# Altium PCB POETIC_Processor_V2.PcbDoc (part 1 of 4) (continued)
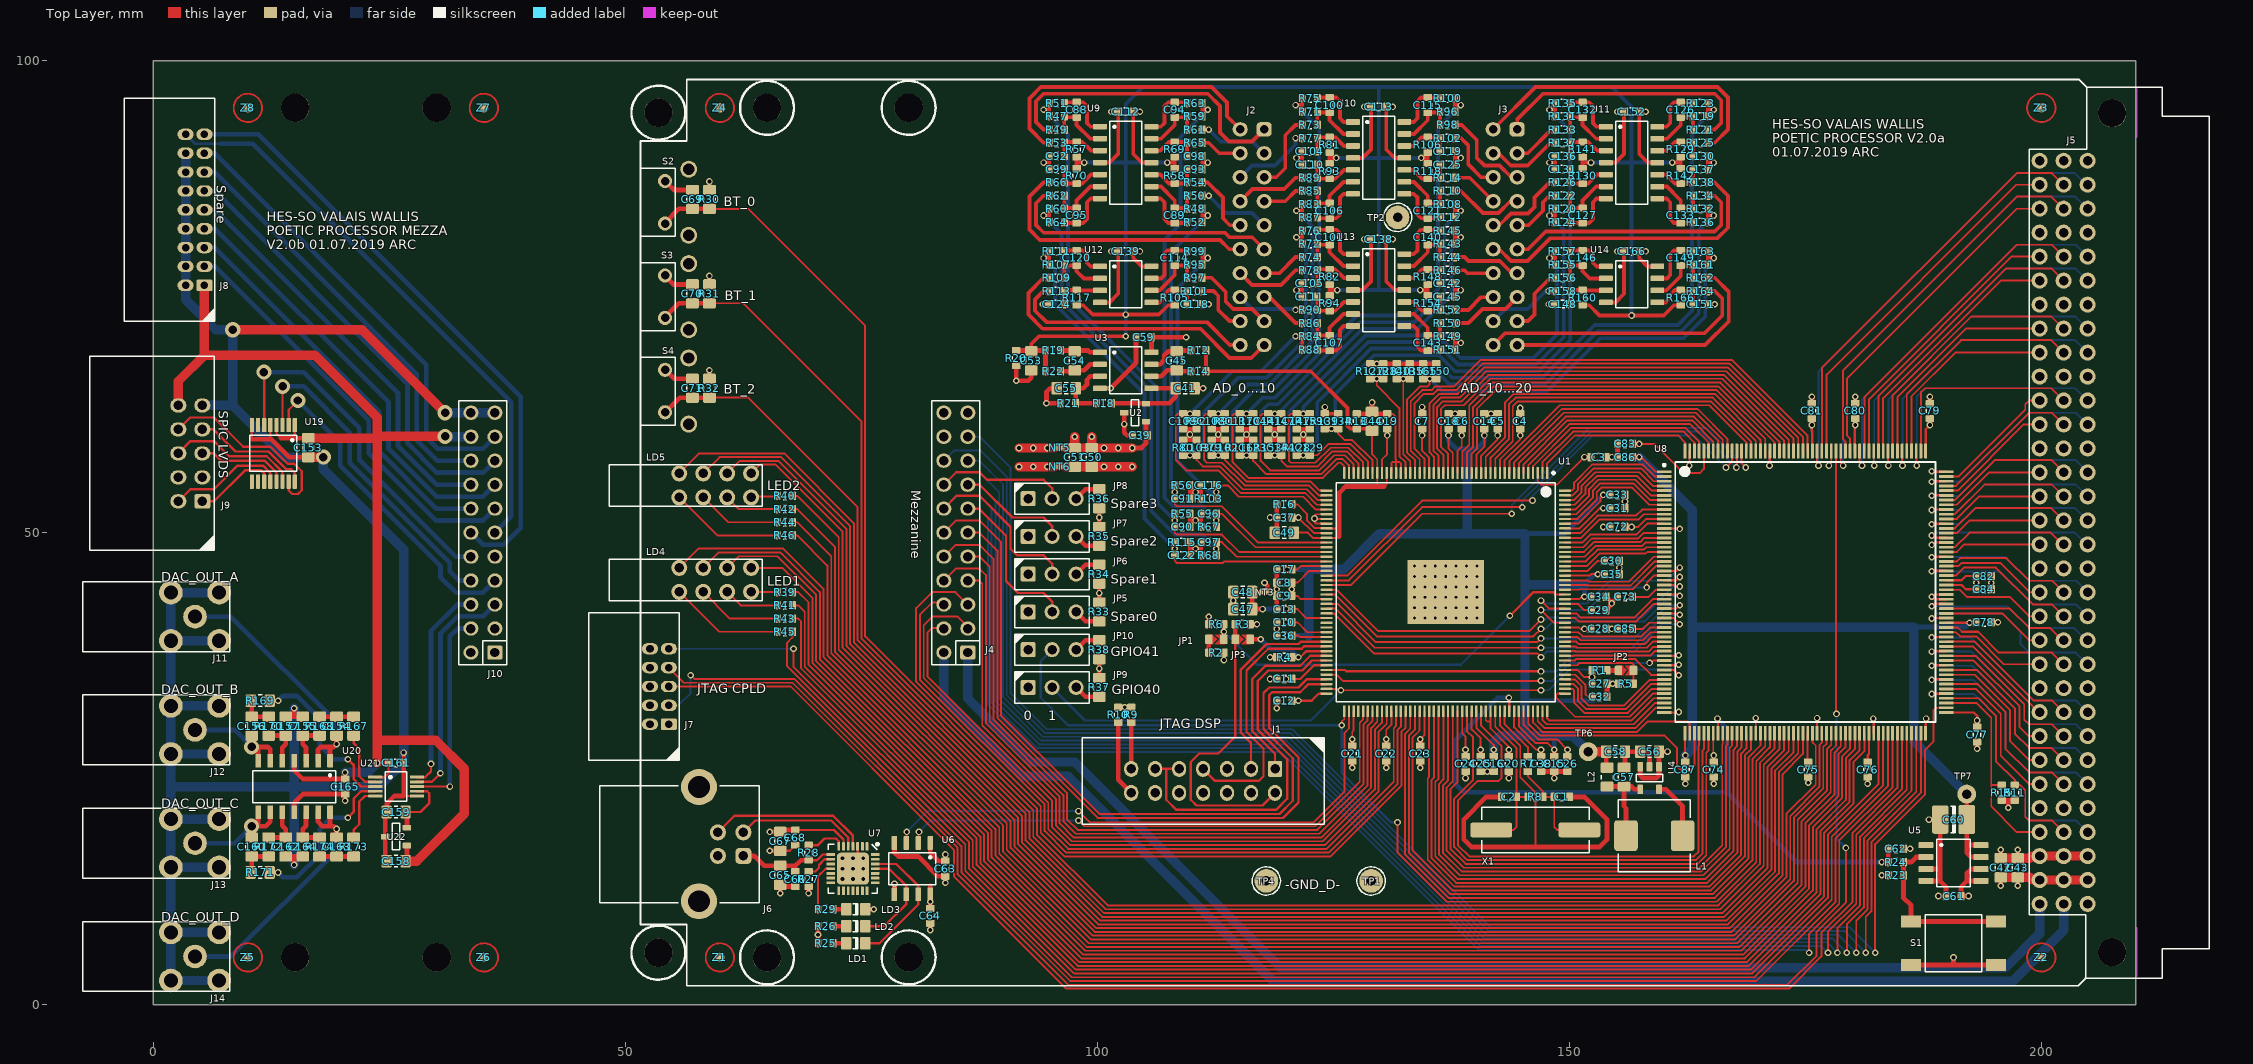
[diagram p0: Top Layer view]
## Components (designator, comment, footprint, x,y, rotation, side; value= is the part's Value field where it differs from the comment) (continued)
C158 "100n" "CAPACITOR 2012 REFLOW" 25.7,15.2 r0 top
C159 "1u" "CAPACITOR 2012 REFLOW" 25.7,20.4 r0 top
C160 "100p" "CAPACITOR 2012 REFLOW" 10.4,16.7 r90 top
C161 "100n" "CAPACITOR 1608 REFLOW" 25.7,25.6 r180 top
C162 "150p" "CAPACITOR 2012 REFLOW" 14,16.7 r90 top
C163 "100p" "CAPACITOR 2012 REFLOW" 19.4,16.7 r90 top
C164 "150p" "CAPACITOR 2012 REFLOW" 15.8,16.7 r90 top
C165 "100n" "CAPACITOR 1608 REFLOW" 20.299,23.1 r90 top
C166 "100n" "CAPACITOR 1608 REFLOW" 156.6,79.8 r0 top
J1 "61201421621" "FlatCable2x7 2.54MM Straight TH" 111.2,23.7 r180 top
J2 "61202021621" "FlatCable2x10 2.54MM Straight TH" 116.4,81.3 r270 bottom
J3 "61202021621" "FlatCable2x10 2.54MM Straight TH" 143.2,81.3 r270 bottom
J4 "*" "PinHeader2x11 P2.54 A" 85,50 r90 top
J5 "09031966921" "DIN41612 MALE 3X32 ABC R90" 217.6,50 r270 top
J6 "UE27-BC54-130" "USB-B TH AMPHENOL UE27-BC54-130" 47.5,17 r270 top
J7 "98464-G61-10ULF" "FlatCable2x5 2MM Right Angle TH FCI 98614-G61-10ULF" 53.6,33.7 r270 top
J8 "98464-G61-18ULF" "FlatCable2x9 2MM Right Angle TH FCI 98614-G61-18ULF" 4.4,84.2 r270 top
J9 "61201021721" "FlatCable2x5 2.54MM RIGHT ANGLE TH" 3.9,58.4 r270 top
J10 "*" "PinHeader2x11 P2.54 A" 34.9,50 r90 top
J11 "CONSMA002-G" "SMA TH Right Angle Linx CONSMA002" 4.4,41.1 r0 top
J12 "CONSMA002-G" "SMA TH Right Angle Linx CONSMA002" 4.4,29.1 r0 top
J13 "CONSMA002-G" "SMA TH Right Angle Linx CONSMA002" 4.4,17.1 r0 top
J14 "CONSMA002-G" "SMA TH Right Angle Linx CONSMA002" 4.4,5.1 r0 top
JP1 "Tied" "JUMPER2 SMD 1608" 112.6,38.7 r0 top net-tie
JP2 "Tied" "JUMPER2 SMD 1608" 156,35.4 r0 top net-tie
JP3 "Tied" "JUMPER2 SMD 1608" 115.4,38.7 r0 top net-tie
JP5 "{Value}" "JUMPER3 TH" 95.2,41.6 r0 top
JP6 "{Value}" "JUMPER3 TH" 95.2,45.6 r0 top
JP7 "{Value}" "JUMPER3 TH" 95.2,49.6 r0 top
JP8 "{Value}" "JUMPER3 TH" 95.2,53.6 r0 top
JP9 "{Value}" "JUMPER3 TH" 95.2,33.6 r0 top
JP10 "{Value}" "JUMPER3 TH" 95.2,37.6 r0 top
L1 "DR73-2R2-R" DR73 159,17.9 r180 top
L2 "MH2029-221Y" "INDUCTOR 2012 REFLOW" 154,24.1 r90 top
LD1 "Green" "LED 2012 REFLOW" 74.4,6.5 r180 top
LD2 "Green" "LED 2012 REFLOW" 74.4,8.3 r180 top
LD3 "Green" "LED 2012 REFLOW" 74.4,10.1 r180 top
LD4 "568-0721-111F" "LED Dialight 568-0721-111" 55.7,45 r0 top
LD5 "568-0721-111F" "LED Dialight 568-0721-111" 55.7,55 r0 top
NT3 "Net Tie" "NET TIE 1005" 117.7,43.7 r180 top net-tie
NT5 "Net Tie" "NET TIE 1005" 96,58.97 r0 top net-tie
NT6 "Net Tie" "NET TIE 1005" 96,56.97 r0 top net-tie
R1 "820R" "RESISTOR 1608 REFLOW" 153.2,35.4 r180 top
R2 "820R" "RESISTOR 1608 REFLOW" 112.6,37.3 r0 top
R3 "10k" "RESISTOR 1608 REFLOW" 115.4,40.3 r180 top
R4 "nm" "RESISTOR 1608 REFLOW" 119.8,36.8 r0 top
R5 "nm" "RESISTOR 1608 REFLOW" 156,34 r0 top
R6 "2k2" "RESISTOR 1608 REFLOW" 112.6,40.3 r0 top
R7 "100R" "RESISTOR 1608 REFLOW" 145.6,25.5 r90 top
R8 "1Meg" "RESISTOR 1608 REFLOW" 146.4,22 r0 top
R9 "10k" "RESISTOR 1608 REFLOW" 103.6,30.7 r90 top
R10 "10k" "RESISTOR 1608 REFLOW" 102.2,30.7 r90 top
R11 "4k7" "RESISTOR 1608 REFLOW" 197.2,22.45 r270 top
R12 "56R" "RESISTOR 1608 REFLOW" 110.7,69.3 r180 top
R13 "10k" "RESISTOR 1608 REFLOW" 127.5,61.8 r90 top
R14 "560R" "RESISTOR 1608 REFLOW" 110.7,67.1 r180 top
R15 "4k7" "RESISTOR 1608 REFLOW" 195.8,22.45 r270 top
R16 "10k" "RESISTOR 1608 REFLOW" 119.8,53 r180 top
R18 "10k / 0.1%" "RESISTOR 1608 REFLOW" 100.7,63.7 r0 top
R19 "56R" "RESISTOR 1608 REFLOW" 95.3,69.3 r0 top
R20 "10k" "RESISTOR 1608 REFLOW" 91.4,68.5 r270 top
R21 "10k / 0.1%" "RESISTOR 1608 REFLOW" 96.9,63.7 r180 top
R22 "560R" "RESISTOR 1608 REFLOW" 95.3,67.1 r0 top
R23 "1k5" "RESISTOR 1608 REFLOW" 184.6,13.7 r180 top
R24 "220R" "RESISTOR 1608 REFLOW" 184.6,15.1 r0 top
R25 "1k" "RESISTOR 1608 REFLOW" 71.2,6.5 r180 top
R26 "1k" "RESISTOR 1608 REFLOW" 71.2,8.3 r180 top
R27 "1k" "RESISTOR 1608 REFLOW" 69.4,13.3 r270 top
R28 "0" "RESISTOR 1608 REFLOW" 69.4,16.1 r90 top
R29 "1k" "RESISTOR 1608 REFLOW" 71.2,10.1 r180 top
R30 "470R" "RESISTOR 2012 REFLOW" 58.9,85.3 r90 top
R31 "470R" "RESISTOR 2012 REFLOW" 58.9,75.3 r90 top
R32 "470R" "RESISTOR 2012 REFLOW" 58.9,65.3 r90 top
R33 "10k" "RESISTOR 2012 REFLOW" 100.2,41.6 r90 top
R34 "10k" "RESISTOR 2012 REFLOW" 100.2,45.6 r270 top
R35 "10k" "RESISTOR 2012 REFLOW" 100.2,49.6 r90 top
R36 "10k" "RESISTOR 2012 REFLOW" 100.199,53.6 r270 top
R37 "10k" "RESISTOR 2012 REFLOW" 100.2,33.6 r270 top
R38 "10k" "RESISTOR 2012 REFLOW" 100.2,37.6 r90 top
R39 "120R" "RESISTOR 1608 REFLOW" 66.9,43.7 r180 top
R40 "120R" "RESISTOR 1608 REFLOW" 66.9,53.9 r180 top
R41 "120R" "RESISTOR 1608 REFLOW" 66.9,42.3 r180 top
R42 "120R" "RESISTOR 1608 REFLOW" 66.9,52.5 r180 top
R43 "120R" "RESISTOR 1608 REFLOW" 66.9,40.9 r180 top
R44 "120R" "RESISTOR 1608 REFLOW" 66.9,51.1 r180 top
R45 "120R" "RESISTOR 1608 REFLOW" 66.9,39.5 r180 top
R46 "120R" "RESISTOR 1608 REFLOW" 66.9,49.7 r180 top
R47 "18k" "RESISTOR 1608 REFLOW" 95.7,94.1 r180 top
R48 "18k" "RESISTOR 1608 REFLOW" 110.3,84.3 r0 top
R49 "8k2" "RESISTOR 1608 REFLOW" 95.7,92.7 r0 top
R50 "8k2" "RESISTOR 1608 REFLOW" 110.3,85.7 r180 top
R51 "82R" "RESISTOR 1608 REFLOW" 95.7,95.5 r180 top
R52 "82R" "RESISTOR 1608 REFLOW" 110.3,82.9 r0 top
R53 "8k2" "RESISTOR 1608 REFLOW" 95.7,91.3 r0 top
R54 "8k2" "RESISTOR 1608 REFLOW" 110.3,87.1 r180 top
R55 "10k" "RESISTOR 1608 REFLOW" 109,52 r0 top
R56 "10k" "RESISTOR 1608 REFLOW" 109,55 r0 top
R57 "18k" "RESISTOR 1608 REFLOW" 97.8,90.6 r270 top
R58 "18k" "RESISTOR 1608 REFLOW" 108.2,87.8 r90 top
R59 "18k" "RESISTOR 1608 REFLOW" 110.3,94.1 r0 top
R60 "18k" "RESISTOR 1608 REFLOW" 95.7,84.3 r180 top
R61 "8k2" "RESISTOR 1608 REFLOW" 110.3,92.7 r180 top
R62 "8k2" "RESISTOR 1608 REFLOW" 95.7,85.7 r0 top
R63 "82R" "RESISTOR 1608 REFLOW" 110.3,95.5 r0 top
R64 "82R" "RESISTOR 1608 REFLOW" 95.7,82.9 r180 top
R65 "8k2" "RESISTOR 1608 REFLOW" 110.3,91.3 r180 top
R66 "8k2" "RESISTOR 1608 REFLOW" 95.7,87.1 r0 top
R67 "10k" "RESISTOR 1608 REFLOW" 111.8,50.6 r180 top
R68 "10k" "RESISTOR 1608 REFLOW" 111.8,47.6 r180 top
R69 "18k" "RESISTOR 1608 REFLOW" 108.2,90.6 r270 top
R70 "18k" "RESISTOR 1608 REFLOW" 97.8,87.8 r90 top
R71 "18k" "RESISTOR 1608 REFLOW" 122.5,94.6 r180 top
R72 "18k" "RESISTOR 1608 REFLOW" 122.5,80.6 r180 top
R73 "8k2" "RESISTOR 1608 REFLOW" 122.5,93.2 r0 top
R74 "8k2" "RESISTOR 1608 REFLOW" 122.5,79.2 r0 top
R75 "82R" "RESISTOR 1608 REFLOW" 122.5,96 r180 top
R76 "82R" "RESISTOR 1608 REFLOW" 122.5,82 r180 top
R77 "8k2" "RESISTOR 1608 REFLOW" 122.5,91.8 r0 top
R78 "8k2" "RESISTOR 1608 REFLOW" 122.5,77.8 r0 top
R79 "10k" "RESISTOR 1608 REFLOW" 112.1,59 r90 top
R80 "10k" "RESISTOR 1608 REFLOW" 109.1,59 r90 top
R81 "18k" "RESISTOR 1608 REFLOW" 124.6,91.1 r270 top
R82 "18k" "RESISTOR 1608 REFLOW" 124.6,77.1 r270 top
R83 "18k" "RESISTOR 1608 REFLOW" 122.5,84.8 r180 top
R84 "18k" "RESISTOR 1608 REFLOW" 122.5,70.8 r180 top
R85 "8k2" "RESISTOR 1608 REFLOW" 122.5,86.2 r0 top
R86 "8k2" "RESISTOR 1608 REFLOW" 122.5,72.2 r0 top
R87 "82R" "RESISTOR 1608 REFLOW" 122.5,83.4 r180 top
R88 "82R" "RESISTOR 1608 REFLOW" 122.5,69.4 r180 top
R89 "8k2" "RESISTOR 1608 REFLOW" 122.5,87.6 r0 top
R90 "8k2" "RESISTOR 1608 REFLOW" 122.5,73.6 r0 top
R91 "10k" "RESISTOR 1608 REFLOW" 113.5,61.8 r270 top
R92 "10k" "RESISTOR 1608 REFLOW" 110.5,61.8 r270 top
R93 "18k" "RESISTOR 1608 REFLOW" 124.6,88.3 r90 top
R94 "18k" "RESISTOR 1608 REFLOW" 124.6,74.3 r90 top
R95 "18k" "RESISTOR 1608 REFLOW" 110.3,78.4 r0 top
R96 "18k" "RESISTOR 1608 REFLOW" 137.1,94.6 r0 top
R97 "8k2" "RESISTOR 1608 REFLOW" 110.3,77 r180 top
R98 "8k2" "RESISTOR 1608 REFLOW" 137.1,93.2 r180 top
R99 "82R" "RESISTOR 1608 REFLOW" 110.3,79.8 r0 top
R100 "82R" "RESISTOR 1608 REFLOW" 137.1,96 r0 top
R101 "8k2" "RESISTOR 1608 REFLOW" 110.3,75.6 r180 top
R102 "8k2" "RESISTOR 1608 REFLOW" 137.1,91.8 r180 top
R103 "10k" "RESISTOR 1608 REFLOW" 111.8,53.6 r180 top
R104 "10k" "RESISTOR 1608 REFLOW" 116.5,61.8 r270 top
R105 "18k" "RESISTOR 1608 REFLOW" 108.2,74.9 r270 top
R106 "18k" "RESISTOR 1608 REFLOW" 135,91.1 r270 top
R107 "18k" "RESISTOR 1608 REFLOW" 95.7,78.4 r180 top
R108 "18k" "RESISTOR 1608 REFLOW" 137.1,84.8 r0 top
R109 "8k2" "RESISTOR 1608 REFLOW" 95.7,77 r0 top
R110 "8k2" "RESISTOR 1608 REFLOW" 137.1,86.2 r180 top
R111 "82R" "RESISTOR 1608 REFLOW" 95.7,79.8 r180 top
R112 "82R" "RESISTOR 1608 REFLOW" 137.1,83.4 r0 top
R113 "8k2" "RESISTOR 1608 REFLOW" 95.7,75.6 r0 top
R114 "8k2" "RESISTOR 1608 REFLOW" 137.1,87.6 r180 top
R115 "10k" "RESISTOR 1608 REFLOW" 109,49 r0 top
R116 "10k" "RESISTOR 1608 REFLOW" 115.1,59 r90 top
R117 "18k" "RESISTOR 1608 REFLOW" 97.8,74.9 r270 top
R118 "18k" "RESISTOR 1608 REFLOW" 135,88.3 r90 top
R119 "18k" "RESISTOR 1608 REFLOW" 163.9,94.1 r0 top
R120 "18k" "RESISTOR 1608 REFLOW" 149.3,84.3 r180 top
R121 "8k2" "RESISTOR 1608 REFLOW" 163.9,92.7 r180 top
R122 "8k2" "RESISTOR 1608 REFLOW" 149.3,85.7 r0 top
R123 "82R" "RESISTOR 1608 REFLOW" 163.9,95.5 r0 top
R124 "82R" "RESISTOR 1608 REFLOW" 149.3,82.9 r180 top
R125 "8k2" "RESISTOR 1608 REFLOW" 163.9,91.3 r180 top
R126 "8k2" "RESISTOR 1608 REFLOW" 149.3,87.1 r0 top
R127 "10k" "RESISTOR 1608 REFLOW" 128.9,67.1 r90 top
R128 "10k" "RESISTOR 1608 REFLOW" 121.1,59 r90 top
R129 "18k" "RESISTOR 1608 REFLOW" 161.8,90.6 r270 top
R130 "18k" "RESISTOR 1608 REFLOW" 151.4,87.8 r90 top
R131 "18k" "RESISTOR 1608 REFLOW" 149.3,94.1 r180 top
R132 "18k" "RESISTOR 1608 REFLOW" 163.9,84.3 r0 top
R133 "8k2" "RESISTOR 1608 REFLOW" 149.3,92.7 r0 top
R134 "8k2" "RESISTOR 1608 REFLOW" 163.9,85.7 r180 top
R135 "82R" "RESISTOR 1608 REFLOW" 149.3,95.5 r180 top
R136 "82R" "RESISTOR 1608 REFLOW" 163.9,82.9 r0 top
R137 "8k2" "RESISTOR 1608 REFLOW" 149.3,91.3 r0 top
R138 "8k2" "RESISTOR 1608 REFLOW" 163.9,87.1 r180 top
R139 "10k" "RESISTOR 1608 REFLOW" 124.1,61.8 r90 top
R140 "10k" "RESISTOR 1608 REFLOW" 131.7,67.1 r90 top
R141 "18k" "RESISTOR 1608 REFLOW" 151.4,90.6 r270 top
R142 "18k" "RESISTOR 1608 REFLOW" 161.8,87.8 r90 top
R143 "18k" "RESISTOR 1608 REFLOW" 137.1,80.6 r0 top
R144 "8k2" "RESISTOR 1608 REFLOW" 137.1,79.2 r180 top
R145 "82R" "RESISTOR 1608 REFLOW" 137.1,82 r0 top
R146 "8k2" "RESISTOR 1608 REFLOW" 137.1,77.8 r180 top
R147 "10k" "RESISTOR 1608 REFLOW" 119.5,61.8 r270 top
R148 "18k" "RESISTOR 1608 REFLOW" 135,77.1 r270 top
R149 "18k" "RESISTOR 1608 REFLOW" 137.1,70.8 r0 top
R150 "8k2" "RESISTOR 1608 REFLOW" 137.1,72.2 r180 top
R151 "82R" "RESISTOR 1608 REFLOW" 137.1,69.4 r0 top
R152 "8k2" "RESISTOR 1608 REFLOW" 137.1,73.6 r180 top
R153 "10k" "RESISTOR 1608 REFLOW" 118.1,59 r90 top
R154 "18k" "RESISTOR 1608 REFLOW" 135,74.3 r90 top
R155 "18k" "RESISTOR 1608 REFLOW" 149.3,78.4 r180 top
R156 "8k2" "RESISTOR 1608 REFLOW" 149.3,77 r0 top
R157 "82R" "RESISTOR 1608 REFLOW" 149.3,79.8 r180 top
R158 "8k2" "RESISTOR 1608 REFLOW" 149.3,75.6 r0 top
R159 "10k" "RESISTOR 1608 REFLOW" 122.5,61.8 r270 top
R160 "18k" "RESISTOR 1608 REFLOW" 151.4,74.9 r270 top
R161 "18k" "RESISTOR 1608 REFLOW" 163.9,78.4 r0 top
R162 "8k2" "RESISTOR 1608 REFLOW" 163.9,77 r180 top
R163 "82R" "RESISTOR 1608 REFLOW" 163.9,79.8 r0 top
R164 "8k2" "RESISTOR 1608 REFLOW" 163.9,75.6 r180 top
R165 "10k" "RESISTOR 1608 REFLOW" 134.5,67.1 r90 top
R166 "18k" "RESISTOR 1608 REFLOW" 161.8,74.9 r270 top
R167 "3k3" "RESISTOR 2012 REFLOW" 21.2,29.5 r90 top
R168 "3k6" "RESISTOR 2012 REFLOW" 17.6,29.5 r270 top
R169 "3k3" "RESISTOR 2012 REFLOW" 11.3,32.2 r180 top
R170 "3k6" "RESISTOR 2012 REFLOW" 12.2,29.5 r270 top
R171 "3k3" "RESISTOR 2012 REFLOW" 11.3,14 r180 top
R172 "3k6" "RESISTOR 2012 REFLOW" 12.2,16.7 r90 top
R173 "3k3" "RESISTOR 2012 REFLOW" 21.2,16.7 r270 top
R174 "3k6" "RESISTOR 2012 REFLOW" 17.6,16.7 r90 top
S1 "FSM2JSMA" "Push Button C6.0x6.0 TE FSM-2J-SMA" 190.7,6.5 r180 top
S2 "FSMRA4JH04" "Push Button C7.1x3.7 TE FSMRA4JH" 51.6,85 r270 top
S3 "FSMRA4JH04" "Push Button C7.1x3.7 TE FSMRA4JH" 51.6,75 r270 top
S4 "FSMRA4JH04" "Push Button C7.1x3.7 TE FSMRA4JH" 51.6,65 r270 top
TP1 "*" "Test Point Keystone Miniature BLACK" 129,13.1 r90 top
TP2 "*" "Test Point Keystone Miniature BLACK" 131.8,83.4 r270 top
TP4 "*" "Test Point Keystone Miniature BLACK" 117.9,13.1 r270 top
TP6 "*" "Hole 1.0 D2.0" 152,26.8 r180 top
TP7 "*" "Hole 1.0 D2.0" 192.1,22.3 r270 top
U1 "TMS320F28377SPTPT" "PQFP176 P0.5 C24.2X24.2 H1.5" 136.9,43.7 r270 top
U2 "REF3130AIDBZTG4" "SOT23 P0.95 C1.6x3.0 H1.3" 104,62.7 r180 top
U3 "AD8646ARZ-REEL7" "SO8 P1.27 C4.0X5.0 H1.75"#1 103,67.2 r0 top
U4 "TPS62262DDCT" "SOT23-5 P0.95 C1.6x3.0 H1.3" 158.5,24 r270 top
U5 "TPS76618DR" "SO8 P1.27 C4.0X5.0 H1.75"#2 190.7,15 r0 top
U6 "SI8422AB-D-ISR" "SO8 P1.27 C4.0X5.0 H1.75"#1 80.4,14.4 r270 top
U7 "CP2102N-A01-GQFN28" "QFN28 P0.5 T3.4X3.4 C5.0X5.0 H0.8" 74.1,14.4 r270 top
U8 "XC2C256-7PQG208C" "PQFP208 P0.5 C28.0X28.0 H3.7" 175,43.7 r0 top
U9 "AD8648ARZ-REEL7" "SO14 P1.27 C4.0X8.8 H1.75" 103,89.2 r0 top
U10 "AD8648ARZ-REEL7" "SO14 P1.27 C4.0X8.8 H1.75" 129.798,89.7 r0 top
U11 "AD8648ARZ-REEL7" "SO14 P1.27 C4.0X8.8 H1.75" 156.6,89.2 r0 top
U12 "AD8646ARZ-REEL7" "SO8 P1.27 C4.0X5.0 H1.75"#1 103,76.3 r0 top
U13 "AD8648ARZ-REEL7" "SO14 P1.27 C4.0X8.8 H1.75" 129.8,75.7 r0 top
U14 "AD8646ARZ-REEL7" "SO8 P1.27 C4.0X5.0 H1.75"#1 156.6,76.3 r0 top
U19 "DS90LV047ATMTC/NOPB" "TSSOP16 P0.65 C5.0x4.5 H1.1" 12.7,58.4 r270 top
U20 "AD8648ARZ-REEL7" "SO14 P1.27 C4.0X8.8 H1.75" 14.899,23.1 r270 top
U21 "DAC124S085CIMM/NOPB" "VSSOP10 P0.5 C3.1X3.1 H1.1" 25.7,23.1 r0 top
U22 "REF3130AIDBZTG4" "SOT23 P0.95 C1.6x3.0 H1.3" 25.7,17.8 r180 top
X1 "20MHz" "Quartz HC49/4H SMX" 146.4,18.5 r0 top
Z1 "1 - 3" FIDUCIAL 60,5 r0 top
Z2 "1 - 3" FIDUCIAL 200,5 r0 top
Z3 "1 - 3" FIDUCIAL 200,95 r0 top
Z4 "1 - 3" FIDUCIAL 60,95 r0 top
Z5 "1 - 3" FIDUCIAL 10,5 r0 top
Z6 "1 - 3" FIDUCIAL 35,5 r0 top
Z7 "1 - 3" FIDUCIAL 35,95 r0 top
Z8 "1 - 3" FIDUCIAL 10,95 r0 top

## Footprints (in the part's own frame and the unit in brackets; to place one, negate y for a bottom-side part, rotate by r counter-clockwise, add the part's x,y. Pads: shape width x height; smd on the part's side, far side on the other; paste and mask are expansions set on the pad)
"CAPACITOR 1608 REFLOW" [mm] "Capacitor SMD 1.6x0.8mm (0603-imperial)"
  rrect25% 0.75x0.9 smd: 1(-0.8,0) 2(0.8,0)
  silkscreen extent -0.2,-0.4 0.2,0.4, body extent -0.8,-0.4 0.8,0.4, height 0.8
"CAPACITOR 2012 REFLOW" [mm] "Capacitor SMD 2.0x1.2mm (0805-imperial)"
  rrect25% 1.1x1.35 smd: 1(-1,0) 2(1,0)
  silkscreen extent -0.2,-0.6 0.2,0.6, body extent -1,-0.6 1,0.6, height 1
"CAPACITOR POL 3528-21 REFLOW" [mm] "Chip Capacitor, 2-Leads, Body 3.5x2.8mm, Height 2.1mm,  (TAJ-B)"
  rrect25% 1.75x3.1 smd: 1(-1.4,0)
  rrect25% 1.75x3 smd: 2(1.4,0)
  silkscreen extent -0.2,-1.4 0.3,1.4, body extent -1.85,-1.4 1.85,1.4, height 2.11
"DIN41612 MALE 3X32 ABC R90" [mm] "DIN41612 MALE 3X32 ABC R90"
  round 3 hole 3 paste-25.4 mask-25.4: 0(-44.45,-10.1) 0(44.45,-10.1)
  round 1.7 hole 1: A1(-39.4,-12.7) A2(-36.86,-12.7) A3(-34.32,-12.7) A4(-31.78,-12.7) A5(-29.24,-12.7) A6(-26.7,-12.7) A7(-24.16,-12.7) A8(-21.62,-12.7) A9(-19.08,-12.7) A10(-16.54,-12.7) A11(-14,-12.7) A12(-11.46,-12.7) A13(-8.92,-12.7) A14(-6.38,-12.7) A15(-3.84,-12.7) A16(-1.3,-12.7) A17(1.24,-12.7) A18(3.78,-12.7) A19(6.32,-12.7) A20(8.86,-12.7) A21(11.4,-12.7) A22(13.94,-12.7) A23(16.48,-12.7) A24(19.02,-12.7) A25(21.56,-12.7) A26(24.1,-12.7) A27(26.64,-12.7) A28(29.18,-12.7) A29(31.72,-12.7) A30(34.26,-12.7) A31(36.8,-12.7) A32(39.34,-12.7) B1(-39.4,-15.24) B2(-36.86,-15.24) B3(-34.32,-15.24) B4(-31.78,-15.24) B5(-29.24,-15.24) B6(-26.7,-15.24) B7(-24.16,-15.24) B8(-21.62,-15.24) B9(-19.08,-15.24) B10(-16.54,-15.24) B11(-14,-15.24) B12(-11.46,-15.24) B13(-8.92,-15.24) B14(-6.38,-15.24) B15(-3.84,-15.24) B16(-1.3,-15.24) B17(1.24,-15.24) B18(3.78,-15.24) B19(6.32,-15.24) B20(8.86,-15.24) B21(11.4,-15.24) B22(13.94,-15.24) B23(16.48,-15.24) B24(19.02,-15.24) B25(21.56,-15.24) B26(24.1,-15.24) B27(26.64,-15.24) B28(29.18,-15.24) B29(31.72,-15.24) B30(34.26,-15.24) B31(36.8,-15.24) B32(39.34,-15.24) C1(-39.4,-17.78) C2(-36.86,-17.78) C3(-34.32,-17.78) C4(-31.78,-17.78) C5(-29.24,-17.78) C6(-26.7,-17.78) C7(-24.16,-17.78) C8(-21.62,-17.78) C9(-19.08,-17.78) C10(-16.54,-17.78) C11(-14,-17.78) C12(-11.46,-17.78) C13(-8.92,-17.78) C14(-6.38,-17.78) C15(-3.84,-17.78) C16(-1.3,-17.78) C17(1.24,-17.78) C18(3.78,-17.78) C19(6.32,-17.78) C20(8.86,-17.78) C21(11.4,-17.78) C22(13.94,-17.78) C23(16.48,-17.78) C24(19.02,-17.78) C25(21.56,-17.78) C26(24.1,-17.78) C27(26.64,-17.78) C28(29.18,-17.78) C29(31.72,-17.78) C30(34.26,-17.78) C31(36.8,-17.78) C32(39.34,-17.78)
  silkscreen extent -47.2,-18.9 47.2,0.2, body extent -47,-18.08 47,0, height 9.5
DR73 [mm] "Precision Wire Wound Inductor, 2-Leads, Body 7.60x7.60mm"
  rrect25% 2.5x3.25 smd: 1(-3,0) 2(3,0)
  silkscreen extent -3.8,-3.8 3.8,3.8, body extent -3.8,-3.8 3.8,3.8, height 3.55
FIDUCIAL [mm] "FIDUCIAL Din 1mm Dout 3mm"
  round 1 smd mask+1.2: 1(0,0)
  Top Layer circle w0.2: c0,0 r1.5
"FlatCable2x5 2.54MM RIGHT ANGLE TH" [mm] "FlatCable2x5 2.54MM Right Angle TH, DIN 41651, Generic"
  rrect25% 1.5x1.7 hole 1: 1(5.08,1.27)
  oval 1.5x1.7 hole 1: 2(5.08,-1.27) 3(2.54,1.27) 4(2.54,-1.27) 5(0,1.27) 6(0,-1.27) 7(-2.54,1.27) 8(-2.54,-1.27) 9(-5.08,1.27) 10(-5.08,-1.27)
  silkscreen extent -10.29,-10.67 10.29,2.54, body extent -10.16,-10.54 10.16,1.57, height 9.2
"FlatCable2x5 2MM Right Angle TH FCI 98614-G61-10ULF" [mm] "FlatCable2x5 2MM Right Angle TH FCI 98614-G61-10ULF"
  rrect25% 1.2x1.7 hole 0.8: 1(4,1)
  oval 1.2x1.7 hole 0.8: 2(4,-1) 3(2,1) 4(2,-1) 5(0,1) 6(0,-1) 7(-2,1) 8(-2,-1) 9(-4,1) 10(-4,-1)
  silkscreen extent -7.8,-7.5 7.8,2.1, body extent -6,-7.2 6,1.3, height 6.1
"FlatCable2x7 2.54MM Straight TH" [mm] "FlatCable2x7 2.54MM Straight TH, DIN 41651, Generic"
  rrect25% 1.5x1.7 hole 1: 1(-7.62,-1.27)
  oval 1.5x1.7 hole 1: 2(-7.62,1.27) 3(-5.08,-1.27) 4(-5.08,1.27) 5(-2.54,-1.27) 6(-2.54,1.27) 7(0,-1.27) 8(0,1.27) 9(2.54,-1.27) 10(2.54,1.27) 11(5.08,-1.27) 12(5.08,1.27) 13(7.62,-1.27) 14(7.62,1.27)
  silkscreen extent -12.84,-4.59 12.83,4.57, body extent -12.7,-4.45 12.7,4.46, height 9.1
"FlatCable2x9 2MM Right Angle TH FCI 98614-G61-18ULF" [mm] "FlatCable2x9 2MM Right Angle TH FCI 98614-G61-18ULF"
  rrect25% 1.2x1.7 hole 0.8: 1(8,1)
  oval 1.2x1.7 hole 0.8: 2(8,-1) 3(6,1) 4(6,-1) 5(4,1) 6(4,-1) 7(2,1) 8(2,-1) 9(0,1) 10(0,-1) 11(-2,1) 12(-2,-1) 13(-4,1) 14(-4,-1) 15(-6,1) 16(-6,-1) 17(-8,1) 18(-8,-1)
  silkscreen extent -11.8,-7.5 11.8,2.1, body extent -10,-7.2 10,1.3, height 6.1
"FlatCable2x10 2.54MM Straight TH" [mm] "FlatCable2x10 2.54MM Straight TH, DIN 41651, Generic"
  rrect50% 1.5x1.6 hole 0.9: 1(-11.43,-1.27)
  oval 1.5x1.6 hole 0.9: 2(-11.43,1.27) 3(-8.89,-1.27) 4(-8.89,1.27) 5(-6.35,-1.27) 6(-6.35,1.27) 7(-3.81,-1.27) 8(-3.81,1.27) 9(-1.27,-1.27) 10(-1.27,1.27) 11(1.27,-1.27) 12(1.27,1.27) 13(3.81,-1.27) 14(3.81,1.27) 15(6.35,-1.27) 16(6.35,1.27) 17(8.89,-1.27) 18(8.89,1.27) 19(11.43,-1.27) 20(11.43,1.27)
  silkscreen extent -16.65,-4.59 16.64,4.57, body extent -16.51,-4.45 16.51,4.46, height 9.1
"Hole 1.0 D2.0" [mm] "Test Point Hole 1.0 Pad diameter 2.0"
  round 2 hole 1: 1(0,0)
"INDUCTOR 2012 REFLOW" [mm] "Inductor SMD 2.0x1.2mm (0805-imperial)"
  rrect25% 1.1x1.35 smd: 1(-1,0) 2(1,0)
  silkscreen extent -0.2,-0.6 0.2,0.6, body extent -1,-0.6 1,0.6, height 0.6
"JUMPER2 SMD 1608" [mm] "JUMPER SMD 2 LEADS 1608 (0603-Imperial)"
  rrect25% 0.8x1 smd paste-0.8: 1(-0.8,0) 2(0.8,0)
  Top Layer region: -0.9,0.5 -0.9,-0.5 -0.3,-0.5 -0.3,-0.4 0.1,0 -0.3,0.4 -0.3,0.5
  Top Layer region: -0.1,0.45 0.3,0.05 0.3,-0.05 -0.1,-0.45 -0.1,-0.5 0.9,-0.5 0.9,0.5 -0.1,0.5
"JUMPER3 TH" [mm] "JUMPER3 TH"
  rrect25% 1.6x1.6 hole 1 paste-0.8: 1(-2.54,0)
  round 1.6 hole 1 paste-0.8: 2(0,0) 3(2.54,0)
  silkscreen extent -3.94,-1.65 3.94,1.65, body extent -3.88,-1.6 3.74,1.6, height 8.5
"LED 2012 REFLOW" [mm] "LED SMD 2.0x1.2mm (0805-imperial)"
  rrect25% 1.1x1.35 smd: 1(-1,0) 2(1,0)
  silkscreen extent -0.2,-0.6 0.3,0.6, body extent -1,-0.6 1,0.6, height 0.6
"LED Dialight 568-0721-111" [mm] "3mm LED CBI  Circuit Board Indicator  QUAD-LEVEL"
  round 1.7 hole 1: 1(0,-1.27) 2(0,1.27) 3(2.54,-1.27) 4(2.54,1.27) 5(5.08,-1.27) 6(5.08,1.27) 7(7.62,-1.27) 8(7.62,1.27)
  silkscreen extent -7.4,-2.2 8.8,2.2, body extent -9.6,-2.2 8.8,2.2, height 12.7
"NET TIE 1005" [mm] "Net Tie, connect two different net without DRC error"
  rrect25% 0.4x0.5 smd paste-0.8 mask+1: 1(-0.3,0)
  rrect25% 0.4x0.5 smd paste-0.8 mask+0: 2(0.3,0)
  Top Layer region: -0.3,0.25 -0.3,-0.25 0.325,-0.25 0.325,0.25
"PinHeader2x11 P2.54 A" [mm] "Plug connector"
  rrect25% 1.5x1.6 hole 1: 1(-12.7,-1.27)
  oval 1.5x1.6 hole 1: 2(-12.7,1.27) 3(-10.16,-1.27) 4(-10.16,1.27) 5(-7.62,-1.27) 6(-7.62,1.27) 7(-5.08,-1.27) 8(-5.08,1.27) 9(-2.54,-1.27) 10(-2.54,1.27) 11(0,-1.27) 12(0,1.27) 13(2.54,-1.27) 14(2.54,1.27) 15(5.08,-1.27) 16(5.08,1.27) 17(7.62,-1.27) 18(7.62,1.27) 19(10.16,-1.27) 20(10.16,1.27) 21(12.7,-1.27) 22(12.7,1.27)
  silkscreen extent -13.97,-2.54 13.97,2.54, body extent -13.97,-2.54 13.97,2.54, height 8.5
"PQFP176 P0.5 C24.2X24.2 H1.5" [mm]
  rect 6.8x8.1 smd: 0(0,0)
  rrect50% 1.25x0.25 smd: 1(-12.625,10.75) 2(-12.625,10.25) 3(-12.625,9.75) 4(-12.625,9.25) 5(-12.625,8.75) 6(-12.625,8.25) 7(-12.625,7.75) 8(-12.625,7.25) 9(-12.625,6.75) 10(-12.625,6.25) 11(-12.625,5.75) 12(-12.625,5.25) 13(-12.625,4.75) 14(-12.625,4.25) 15(-12.625,3.75) 16(-12.625,3.25) 17(-12.625,2.75) 18(-12.625,2.25) 19(-12.625,1.75) 20(-12.625,1.25) 21(-12.625,0.75) 22(-12.625,0.25) 23(-12.625,-0.25) 24(-12.625,-0.75) 25(-12.625,-1.25) 26(-12.625,-1.75) 27(-12.625,-2.25) 28(-12.625,-2.75) 29(-12.625,-3.25) 30(-12.625,-3.75) 31(-12.625,-4.25) 32(-12.625,-4.75) 33(-12.625,-5.25) 34(-12.625,-5.75) 35(-12.625,-6.25) 36(-12.625,-6.75) 37(-12.625,-7.25) 38(-12.625,-7.75) 39(-12.625,-8.25) 40(-12.625,-8.75) 41(-12.625,-9.25) 42(-12.625,-9.75) 43(-12.625,-10.25) 44(-12.625,-10.75) 89(12.625,-10.75) 90(12.625,-10.25) 91(12.625,-9.75) 92(12.625,-9.25) 93(12.625,-8.75) 94(12.625,-8.25) 95(12.625,-7.75) 96(12.625,-7.25) 97(12.625,-6.75) 98(12.625,-6.25) 99(12.625,-5.75) 100(12.625,-5.25) 101(12.625,-4.75) 102(12.625,-4.25) 103(12.625,-3.75) 104(12.625,-3.25) 105(12.625,-2.75) 106(12.625,-2.25) 107(12.625,-1.75) 108(12.625,-1.25) 109(12.625,-0.75) 110(12.625,-0.25) 111(12.625,0.25) 112(12.625,0.75) 113(12.625,1.25) 114(12.625,1.75) 115(12.625,2.25) 116(12.625,2.75) 117(12.625,3.25) 118(12.625,3.75) 119(12.625,4.25) 120(12.625,4.75) 121(12.625,5.25) 122(12.625,5.75) 123(12.625,6.25) 124(12.625,6.75) 125(12.625,7.25) 126(12.625,7.75) 127(12.625,8.25) 128(12.625,8.75) 129(12.625,9.25) 130(12.625,9.75) 131(12.625,10.25) 132(12.625,10.75)
  rrect50% 0.25x1.25 smd: 45(-10.75,-12.625) 46(-10.25,-12.625) 47(-9.75,-12.625) 48(-9.25,-12.625) 49(-8.75,-12.625) 50(-8.25,-12.625) 51(-7.75,-12.625) 52(-7.25,-12.625) 53(-6.75,-12.625) 54(-6.25,-12.625) 55(-5.75,-12.625) 56(-5.25,-12.625) 57(-4.75,-12.625) 58(-4.25,-12.625) 59(-3.75,-12.625) 60(-3.25,-12.625) 61(-2.75,-12.625) 62(-2.25,-12.625) 63(-1.75,-12.625) 64(-1.25,-12.625) 65(-0.75,-12.625) 66(-0.25,-12.625) 67(0.25,-12.625) 68(0.75,-12.625) 69(1.25,-12.625) 70(1.75,-12.625) 71(2.25,-12.625) 72(2.75,-12.625) 73(3.25,-12.625) 74(3.75,-12.625) 75(4.25,-12.625) 76(4.75,-12.625) 77(5.25,-12.625) 78(5.75,-12.625) 79(6.25,-12.625) 80(6.75,-12.625) 81(7.25,-12.625) 82(7.75,-12.625) 83(8.25,-12.625) 84(8.75,-12.625) 85(9.25,-12.625) 86(9.75,-12.625) 87(10.25,-12.625) 88(10.75,-12.625) 133(10.75,12.625) 134(10.25,12.625) 135(9.75,12.625) 136(9.25,12.625) 137(8.75,12.625) 138(8.25,12.625) 139(7.75,12.625) 140(7.25,12.625) 141(6.75,12.625) 142(6.25,12.625) 143(5.75,12.625) 144(5.25,12.625) 145(4.75,12.625) 146(4.25,12.625) 147(3.75,12.625) 148(3.25,12.625) 149(2.75,12.625) 150(2.25,12.625) 151(1.75,12.625) 152(1.25,12.625) 153(0.75,12.625) 154(0.25,12.625) 155(-0.25,12.625) 156(-0.75,12.625) 157(-1.25,12.625) 158(-1.75,12.625) 159(-2.25,12.625) 160(-2.75,12.625) 161(-3.25,12.625) 162(-3.75,12.625) 163(-4.25,12.625) 164(-4.75,12.625) 165(-5.25,12.625) 166(-5.75,12.625) 167(-6.25,12.625) 168(-6.75,12.625) 169(-7.25,12.625) 170(-7.75,12.625) 171(-8.25,12.625) 172(-8.75,12.625) 173(-9.25,12.625) 174(-9.75,12.625) 175(-10.25,12.625) 176(-10.75,12.625)
  silkscreen extent -12.75,-11.6 11.6,11.6, body extent -12,-12 12,12, height 1.5
"PQFP208 P0.5 C28.0X28.0 H3.7" [mm] "PQFP, 208-Leads, Body 28.00x28.00mm, Pitch 0.50mm, IPC Medium Density"
  rrect25% 1.55x0.3 smd: 1(-14.95,12.75) 2(-14.95,12.25) 3(-14.95,11.75) 4(-14.95,11.25) 5(-14.95,10.75) 6(-14.95,10.25) 7(-14.95,9.75) 8(-14.95,9.25) 9(-14.95,8.75) 10(-14.95,8.25) 11(-14.95,7.75) 12(-14.95,7.25) 13(-14.95,6.75) 14(-14.95,6.25) 15(-14.95,5.75) 16(-14.95,5.25) 17(-14.95,4.75) 18(-14.95,4.25) 19(-14.95,3.75) 20(-14.95,3.25) 21(-14.95,2.75) 22(-14.95,2.25) 23(-14.95,1.75) 24(-14.95,1.25) 25(-14.95,0.75) 26(-14.95,0.25) 27(-14.95,-0.25) 28(-14.95,-0.75) 29(-14.95,-1.25) 30(-14.95,-1.75) 31(-14.95,-2.25) 32(-14.95,-2.75) 33(-14.95,-3.25) 34(-14.95,-3.75) 35(-14.95,-4.25) 36(-14.95,-4.75) 37(-14.95,-5.25) 38(-14.95,-5.75) 39(-14.95,-6.25) 40(-14.95,-6.75) 41(-14.95,-7.25) 42(-14.95,-7.75) 43(-14.95,-8.25) 44(-14.95,-8.75) 45(-14.95,-9.25) 46(-14.95,-9.75) 47(-14.95,-10.25) 48(-14.95,-10.75) 49(-14.95,-11.25) 50(-14.95,-11.75) 51(-14.95,-12.25) 52(-14.95,-12.75) 105(14.95,-12.75) 106(14.95,-12.25) 107(14.95,-11.75) 108(14.95,-11.25) 109(14.95,-10.75) 110(14.95,-10.25) 111(14.95,-9.75) 112(14.95,-9.25) 113(14.95,-8.75) 114(14.95,-8.25) 115(14.95,-7.75) 116(14.95,-7.25) 117(14.95,-6.75) 118(14.95,-6.25) 119(14.95,-5.75) 120(14.95,-5.25) 121(14.95,-4.75) 122(14.95,-4.25) 123(14.95,-3.75) 124(14.95,-3.25) 125(14.95,-2.75) 126(14.95,-2.25) 127(14.95,-1.75) 128(14.95,-1.25) 129(14.95,-0.75) 130(14.95,-0.25) 131(14.95,0.25) 132(14.95,0.75) 133(14.95,1.25) 134(14.95,1.75) 135(14.95,2.25) 136(14.95,2.75) 137(14.95,3.25) 138(14.95,3.75) 139(14.95,4.25) 140(14.95,4.75) 141(14.95,5.25) 142(14.95,5.75) 143(14.95,6.25) 144(14.95,6.75) 145(14.95,7.25) 146(14.95,7.75) 147(14.95,8.25) 148(14.95,8.75) 149(14.95,9.25) 150(14.95,9.75) 151(14.95,10.25) 152(14.95,10.75) 153(14.95,11.25) 154(14.95,11.75) 155(14.95,12.25) 156(14.95,12.75)
  rrect25% 0.3x1.55 smd: 53(-12.75,-14.95) 54(-12.25,-14.95) 55(-11.75,-14.95) 56(-11.25,-14.95) 57(-10.75,-14.95) 58(-10.25,-14.95) 59(-9.75,-14.95) 60(-9.25,-14.95) 61(-8.75,-14.95) 62(-8.25,-14.95) 63(-7.75,-14.95) 64(-7.25,-14.95) 65(-6.75,-14.95) 66(-6.25,-14.95) 67(-5.75,-14.95) 68(-5.25,-14.95) 69(-4.75,-14.95) 70(-4.25,-14.95) 71(-3.75,-14.95) 72(-3.25,-14.95) 73(-2.75,-14.95) 74(-2.25,-14.95) 75(-1.75,-14.95) 76(-1.25,-14.95) 77(-0.75,-14.95) 78(-0.25,-14.95) 79(0.25,-14.95) 80(0.75,-14.95) 81(1.25,-14.95) 82(1.75,-14.95) 83(2.25,-14.95) 84(2.75,-14.95) 85(3.25,-14.95) 86(3.75,-14.95) 87(4.25,-14.95) 88(4.75,-14.95) 89(5.25,-14.95) 90(5.75,-14.95) 91(6.25,-14.95) 92(6.75,-14.95) 93(7.25,-14.95) 94(7.75,-14.95) 95(8.25,-14.95) 96(8.75,-14.95) 97(9.25,-14.95) 98(9.75,-14.95) 99(10.25,-14.95) 100(10.75,-14.95) 101(11.25,-14.95) 102(11.75,-14.95) 103(12.25,-14.95) 104(12.75,-14.95) 157(12.75,14.95) 158(12.25,14.95) 159(11.75,14.95) 160(11.25,14.95) 161(10.75,14.95) 162(10.25,14.95) 163(9.75,14.95) 164(9.25,14.95) 165(8.75,14.95) 166(8.25,14.95) 167(7.75,14.95) 168(7.25,14.95) 169(6.75,14.95) 170(6.25,14.95) 171(5.75,14.95) 172(5.25,14.95) 173(4.75,14.95) 174(4.25,14.95) 175(3.75,14.95) 176(3.25,14.95) 177(2.75,14.95) 178(2.25,14.95) 179(1.75,14.95) 180(1.25,14.95) 181(0.75,14.95) 182(0.25,14.95) 183(-0.25,14.95) 184(-0.75,14.95) 185(-1.25,14.95) 186(-1.75,14.95) 187(-2.25,14.95) 188(-2.75,14.95) 189(-3.25,14.95) 190(-3.75,14.95) 191(-4.25,14.95) 192(-4.75,14.95) 193(-5.25,14.95) 194(-5.75,14.95) 195(-6.25,14.95) 196(-6.75,14.95) 197(-7.25,14.95) 198(-7.75,14.95) 199(-8.25,14.95) 200(-8.75,14.95) 201(-9.25,14.95) 202(-9.75,14.95) 203(-10.25,14.95) 204(-10.75,14.95) 205(-11.25,14.95) 206(-11.75,14.95) 207(-12.25,14.95) 208(-12.75,14.95)
  silkscreen extent -15.07,-13.77 13.77,13.78, body extent -14,-14 14,14, height 3.7
"Push Button C6.0x6.0 TE FSM-2J-SMA" [mm] "Push Button Tyco Electronics FSM-2J-SMA"
  rect 2.1x1.3 smd: 1(-4.5,2.3) 2(4.5,2.3) 3(-4.5,-2.3) 4(4.5,-2.3)
  silkscreen extent -3,-3 3,3, body extent -3,-3 3,3, height 4.4
"Push Button C7.1x3.7 TE FSMRA4JH" [mm] "Push Button C7.1x3.7 TE FSMRA4JH"
  round 1.8 hole 1.2: 0(-3.5,5.1) 0(3.5,5.1)
  round 1.5 hole 0.9: 1(-2.25,2.6) 2(2.25,2.6)
  silkscreen extent -3.6,0 3.6,3.7, body extent -3.7,-5.75 3.7,6.6, height 7
"QFN28 P0.5 T3.4X3.4 C5.0X5.0 H0.8" [mm] "QFN, 28-Leads, Body 5.00x5.00mm, Pitch 0.50mm, Thermal Pad 3.40x3.40mm, IPC High Density"
  rrect25% 3.4x3.4 smd: 0(0,0)
  rrect25% 0.9x0.3 smd: 1(-2.35,1.5) 2(-2.35,1) 3(-2.35,0.5) 4(-2.35,0) 5(-2.35,-0.5) 6(-2.35,-1) 7(-2.35,-1.5) 15(2.35,-1.5) 16(2.35,-1) 17(2.35,-0.5) 18(2.35,0) 19(2.35,0.5) 20(2.35,1) 21(2.35,1.5)
  rrect25% 0.3x0.9 smd: 8(-1.5,-2.35) 9(-1,-2.35) 10(-0.5,-2.35) 11(0,-2.35) 12(0.5,-2.35) 13(1,-2.35) 14(1.5,-2.35) 22(1.5,2.35) 23(1,2.35) 24(0.5,2.35) 25(0,2.35) 26(-0.5,2.35) 27(-1,2.35) 28(-1.5,2.35)
  silkscreen extent -2.72,-2.6 2.6,2.73, body extent -2.5,-2.5 2.5,2.5, height 0.8
"Quartz HC49/4H SMX" [mm] "Quartz HC49/4H SMX"
  rrect25% 4.4x1.55 smd: 1(-4.675,0) 2(4.675,0)
  silkscreen extent -5.7,-2.4 5.7,2.4, body extent -5.71,-2.4 5.71,2.4, height 4.5
"RESISTOR 1608 REFLOW" [mm] "Resistor SMD 1.6x0.8mm (0603-imperial)"
  rrect25% 0.75x0.9 smd: 1(-0.8,0) 2(0.8,0)
  silkscreen extent -0.2,-0.4 0.2,0.4, body extent -0.8,-0.4 0.8,0.4, height 0.45
"RESISTOR 2012 REFLOW" [mm] "Resistor SMD 2.0x1.2mm (0805-imperial)"
  rrect25% 1.1x1.35 smd: 1(-1,0) 2(1,0)
  silkscreen extent -0.2,-0.6 0.2,0.6, body extent -1,-0.6 1,0.6, height 0.6
"SMA TH Right Angle Linx CONSMA002" [mm] "Connector SMA TH Right Angle Linx CONSMA002"
  round 2.5 hole 1.5: 1(0,0) 2(-2.55,-2.55) 2(-2.55,2.55) 2(2.55,-2.55) 2(2.55,2.55)
  silkscreen extent -11.9,-3.7 3.7,3.7, body extent -11.71,-3.5 3.5,3.5, height 10
"SO8 P1.27 C4.0X5.0 H1.75"#1 [mm] "8-Pin Small Outline Integrated Circuit 1.27 mm Pitch, IPC Medium Density"
  rrect25% 1.45x0.6 smd: 1(-2.725,1.905) 2(-2.725,0.635) 3(-2.725,-0.635) 4(-2.725,-1.905) 5(2.725,-1.905) 6(2.725,-0.635) 7(2.725,0.635) 8(2.725,1.905)
  silkscreen extent -1.7,-2.5 1.7,2.5, body extent -2,-2.5 2,2.5, height 1.76
"SO8 P1.27 C4.0X5.0 H1.75"#2 [mm] "8-Pin Small Outline Integrated Circuit 1.27 mm Pitch, IPC Medium Density"
  rrect25% 1.6x0.6 smd: 1(-2.921,1.905) 2(-2.921,0.635) 3(-2.921,-0.635) 4(-2.921,-1.905) 5(2.921,-1.905) 6(2.921,-0.635) 7(2.921,0.635) 8(2.921,1.905)
  silkscreen extent -1.8,-2.5 1.8,2.5, body extent -2,-2.5 2,2.5, height 1.76
"SO14 P1.27 C4.0X8.8 H1.75" [mm] "SOIC, 14-Leads, Body 4.0X8.8mm, Pitch 1.27mm, IPC Medium Density"
  rrect25% 1.45x0.6 smd: 1(-2.725,3.81) 2(-2.725,2.54) 3(-2.725,1.27) 4(-2.725,0) 5(-2.725,-1.27) 6(-2.725,-2.54) 7(-2.725,-3.81) 8(2.725,-3.81) 9(2.725,-2.54) 10(2.725,-1.27) 11(2.725,0) 12(2.725,1.27) 13(2.725,2.54) 14(2.725,3.81)
  silkscreen extent -1.7,-4.4 1.7,4.4, body extent -2,-4.4 2,4.4, height 1.76
"SOT23 P0.95 C1.6x3.0 H1.3" [mm] "SOT23, 3-Leads, Body 1.6x3.0mm, Pitch 0.95mm, IPC Medium Density"
  rrect25% 0.9x0.6 smd: 1(-1.15,0.95) 2(-1.15,-0.95) 3(1.15,0)
  silkscreen extent -0.4,-1.4 0.4,1.4, body extent -0.8,-1.5 0.8,1.5, height 1.3
"SOT23-5 P0.95 C1.6x3.0 H1.3" [mm] "SOT23, 5-Leads, Body 1.6x3.0mm, Pitch 0.95mm, IPC Medium Density"
  rrect25% 1x0.6 smd: 1(-1.2,1) 2(-1.2,0) 3(-1.2,-1) 4(1.2,-1) 5(1.2,1)
  silkscreen extent -0.4,-1.4 0.4,1.4, body extent -0.8,-1.5 0.8,1.5, height 1.3
"Test Point Keystone Miniature BLACK" [mm] "Test Point Keystone Miniature BLACK"
  round 2.5 hole 1: 1(0,0)
  silkscreen extent -1.5,-1.5 1.5,1.5, body extent -1.25,-1.25 1.25,1.25, height 5
"TSSOP16 P0.65 C5.0x4.5 H1.1" [mm] "TSSOP-16 NXP"
  rrect25% 1.5x0.45 smd: 1(-3,2.275) 2(-3,1.625) 3(-3,0.975) 4(-3,0.325) 5(-3,-0.325) 6(-3,-0.975) 7(-3,-1.625) 8(-3,-2.275) 9(3,-2.275) 10(3,-1.625) 11(3,-0.975) 12(3,-0.325) 13(3,0.325) 14(3,0.975) 15(3,1.625) 16(3,2.275)
  silkscreen extent -1.9,-2.5 1.9,2.5, body extent -2.25,-2.5 2.25,2.5, height 1.1
"USB-B TH AMPHENOL UE27-BC54-130" [mm] "USB-B TH AMPHENOL UE27-BC54-130"
  rrect50% 1.7x1.7 hole 1: 1(1.25,15)
  round 1.7 hole 1: 2(-1.25,15) 3(-1.25,12.3) 4(1.25,12.3)
  round 3.81 hole 2.3: 5(-6.05,10.3) 6(6.05,10.3)
  silkscreen extent -6.2,-0.2 6.2,16.7, body extent -6.3,-0.1 6.3,16.5, height 10.6
"VSSOP10 P0.5 C3.1X3.1 H1.1" [mm] "VSSOP, 10-Leads, Body 3.10x3.1mm, Pitch 0.5mm, Height 1.1"
  rrect25% 1.5x0.3 smd: 1(-2.2,1) 2(-2.2,0.5) 3(-2.2,0) 4(-2.2,-0.5) 5(-2.2,-1) 6(2.2,-1) 7(2.2,-0.5) 8(2.2,0) 9(2.2,0.5) 10(2.2,1)
  silkscreen extent -1.15,-1.55 1.15,1.55, body extent -1.55,-1.55 1.55,1.55, height 1.1